# Altium PCB MODULE_CPU_MX240_V1.0.PcbDoc (part 2 of 2)
Units mm, origin at the board's own origin, x right, y up, seen from the top; angles counter-clockwise.
Board outline 87.3 x 95.5 mm, 6 copper layers (Top Layer, Layer 2, Layer 3, Layer 4, Layer 5, Bottom Layer), stack 1.509 mm thick; 378 components, 326 nets, 1905 pads, 0 vias.
Unrouted connection lines stored in the file: 1192.
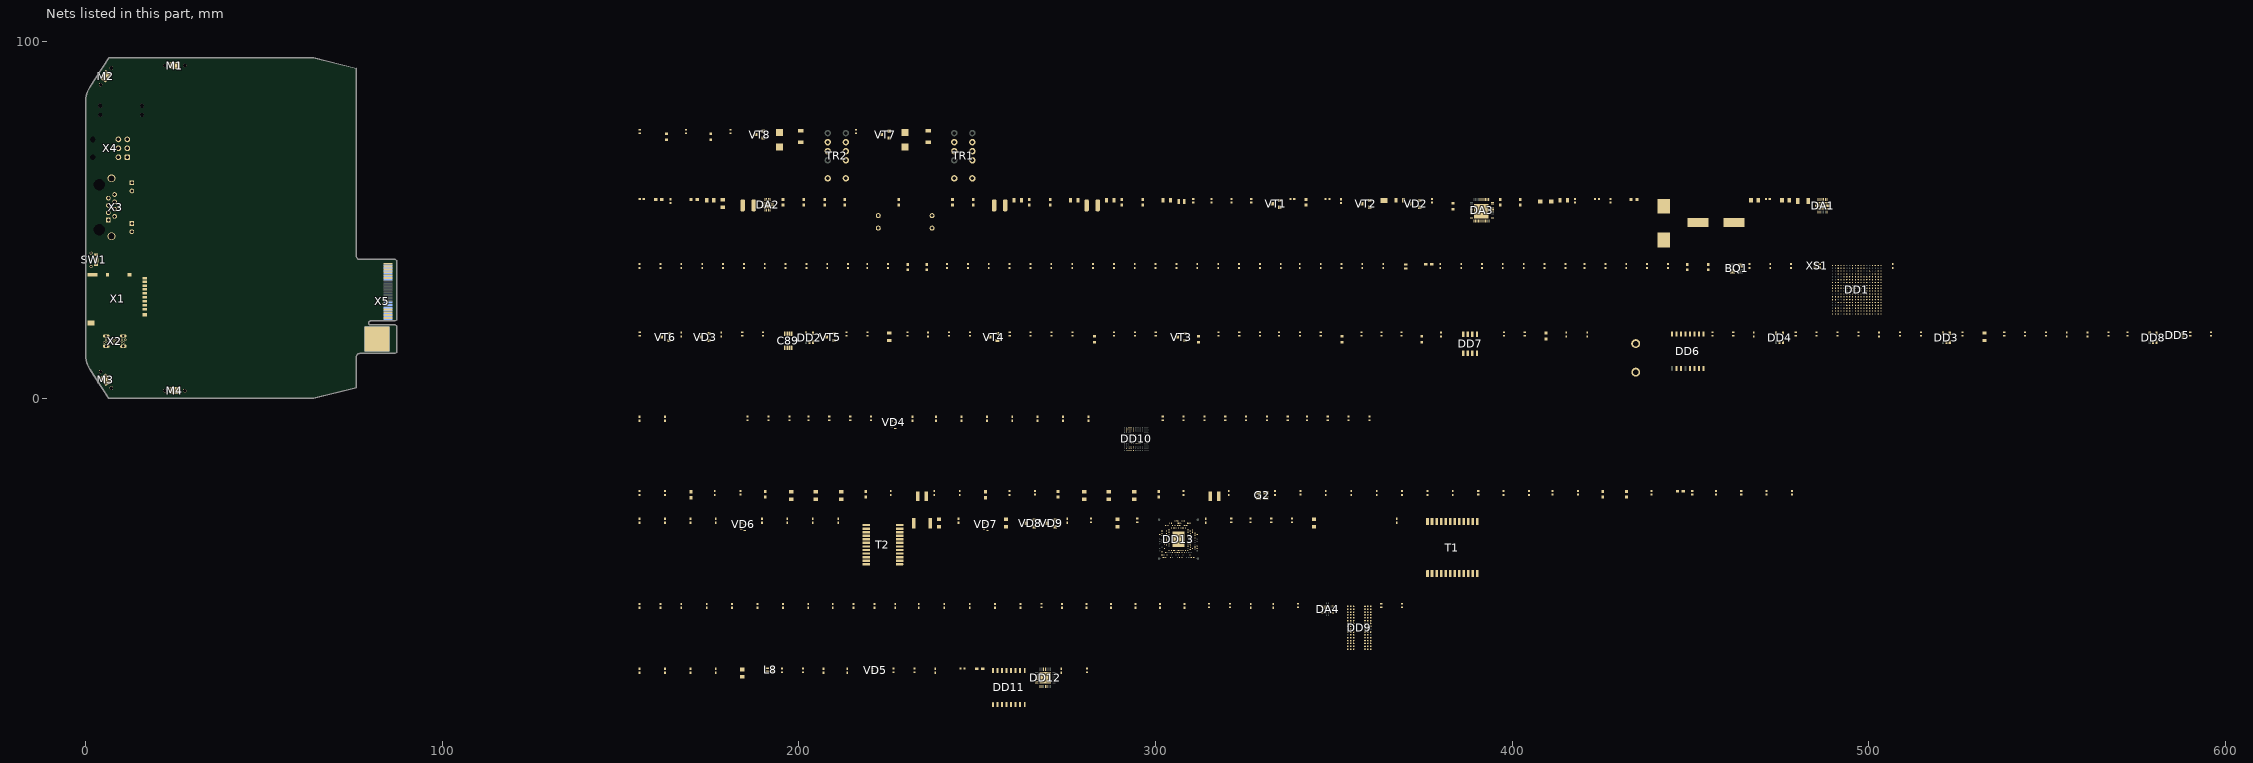
[diagram p4: the nets of this part, all layers, seen from the top]

## Footprints (in the part's own frame and the unit in brackets; to place one, negate y for a bottom-side part, rotate by r counter-clockwise, add the part's x,y. Pads: shape width x height; smd on the part's side, far side on the other; paste and mask are expansions set on the pad) (continued)
"WE-TVS 824014881" [mm]
  rrect50% 0.2x0.6 smd paste+0 mask+0.05: 1(-1.7,-0.475)
  rect 0.2x0.6 smd paste+0 mask+0.05: 2(-0.8,-0.475) 3(0,-0.475) 4(0.8,-0.475) 5(1.7,-0.475) 6(1.3,0.475) 7(0.4,0.475) 8(-0.4,0.475) 9(-1.3,0.475)
  body extent -1.9,-0.5 1.9,0.5, height 0.5
WE-XTAL_CFPX-180 [mm] "Quartz Crystal, size CFPX-180, body 3.4x2.7mm"
  rect 1.4x1.15 smd paste+0 mask+0.05: 1(-1.1,-0.8) 2(1.1,-0.8) 3(1.1,0.8) 4(-1.1,0.8)
  silkscreen extent -2.37,-0.87 -2.12,-0.63, body extent -1.7,-1.35 1.7,1.35, height 0.65
WE-XTAL_IQXC-90 [mm] "Quartz Crystal, size IQXC-90, body 1.6x1mm"
  rect 0.5x1 smd paste+0 mask+0.05: 1(-0.55,0) 2(0.55,0)
  body extent -0.8,-0.5 0.8,0.5, height 0.5
WE_LQSH_4020 [mm]
  rrect50% 1.2x3.3 smd paste-0.03 mask+0.075: 1(-1.55,0) 2(1.55,0)
  silkscreen extent -2,-2 2,2, body extent -2,-2.02 2,2, height 2.02
"WL-SMCW_0603 dome" [mm] "SMD Mono-color Chip LED, body 1.6x0.8mm"
  rect 0.7x0.8 smd paste+0 mask+0.05: 1(-0.85,0) 2(0.85,0)
  body extent -0.8,-0.4 0.8,0.4, height 0.95
WP-SMRA_7466312 [mm] "SMD Terminal Right Angled with Pins, Thread M2, Length 5.5mm"
  round 0.97 hole 1 unplated paste-403.566 mask+0.05: 1(-2.77,0)
  rect 3x2 smd paste-403.566 mask-403.566: 1(0,0)
  round 0.97 hole 1 unplated paste-403.566 mask+0.075: 2(2.77,0)
  Top Layer region: -3.079,-1.665 3.079,-1.665 3.079,-1.665 3.5,0 3.079,1.665 3.079,1.665 3.079,1.665 -3.079,1.665 -3.079,1.665 -3.5,0 -3.079,-1.665
  silkscreen extent -2.92,-2.16 2.92,2.17, body extent -3.5,-2.16 3.5,2.17, height 7
WR-MJ_615008137421 [mm] "RJ45 Horizontal  Shielded  With LED With EMI panel ground Tab up - Left yellow - Right green"
  oval 0x3.25 hole 3.25 unplated mask+0.05: 0(-9.92,-2.54)
  round 0 hole 3.25 unplated mask+0.05: 0(2.78,-2.54)
  rect 1.3x1.3 hole 0.8 mask+0.05: 1(0,0) 10(1,6.6) 12(-10.43,6.6)
  round 1.3 hole 0.8 mask+0.05: 2(-1.02,1.78) 3(-2.04,0) 4(-3.06,1.78) 5(-4.08,0) 6(-5.1,1.78) 7(-6.12,0) 8(-7.14,1.78) 9(3.29,6.6) 11(-8.14,6.6)
  round 2.2 hole 1.7 mask+0.05: 13(-11.695,0.89) 14(4.555,0.89)
  silkscreen extent -11.69,-8 4.56,7.75, body extent -13.45,-8.58 6.31,7.87, height 15.23

## Part data
BQ1: library part WE-XTAL_830072604, "Кварцевый резонатор WE-XTAL 830072604 25 МГц"
BQ2: library part WE-XTAL_830066198, "Кварцевый резонатор WE-XTAL 830066198 32768 Гц Wurth Elektronik"
C1: library part WCAP-ASLL_865060762009, "Чип-конденсатор электролитический WCAP-ASLL 865060762009 220 мкФ 63 В Wurth Elektronik"
C2 C7 C12: library part C0805, "Чип-конденсатор 22 мкФ 50 В 0805", TYPE="Чип-конденсатор 0805"
C3: library part C0402, "Чип-конденсатор 4,7 нФ 50 В 0402", TYPE="Чип-конденсатор 0402"
C4: library part C0402, "Чип-конденсатор 2,2 нФ 50 В 0402", TYPE="Чип-конденсатор 0402"
C5: library part C0402, "Чип-конденсатор 22 нФ 50 В 0402", TYPE="Чип-конденсатор 0402"
C6: library part C0402, "Чип-конденсатор 100 пФ 50 В 0402", TYPE="Чип-конденсатор 0402"
C8 C10 C174 C175: library part C0402, "Чип-конденсатор 0,01 мкФ 50 В 0402", TYPE="Чип-конденсатор 0402"
C9: library part C0805, "Чип-конденсатор 0,1 мкФ 50 В 0805", TYPE="Чип-конденсатор 0805"
C11: library part C1206, "Чип-конденсатор 100 мкФ 6,3 В 1206", TYPE="Чип-конденсатор 1206"
C13 C15 C16 C17 C18 C19 C20 C21 C22 C23 C24 C25 C26 C27 C28 C31 C33 C39 C155 C156 C161 C170: library part C0603, "Чип-конденсатор 10 мкФ 16 В 0603", TYPE="Чип-конденсатор 0603"
C14 C29 C30 C32 C34 C35 C36 C37 C38 C40 C41 C42 C43 C44 C45 C46 C47 C48 C49 C50 C51 C52 C53 C54 C55 C56 C57 C58 C59 C60 C61 C62 C63 C64 C65 C66 C67 C68 C69 C72 C75 C76 C78 C79 C80 C81 C82 C83 C84 C86 C87 C88 C90 C91 C92 C93 C94 C95 C96 C97 C98 C99 C100 C101 C102 C103 C104 C105 C106 C107 C108 C109 C110 C117 C139 C140 C141 C142 C143 C144 C145 C146 C147 C148 C149 C150 C153 C154 C157 C158 C162 C163 C164 C165 C171 C172 C173: library part C0402, "Чип-конденсатор 0,1 мкФ 16 В 0402", TYPE="Чип-конденсатор 0402"
C70 C71 C73 C74 C77: library part C0402, "Чип-конденсатор 22 пФ 50 В 0402", TYPE="Чип-конденсатор 0402"
C85: library part C0402, "Чип-конденсатор 1 мкФ 16 В 0402", TYPE="Чип-конденсатор 0402"
C89: "Приёмопередатчик RS-485 ADM3061EARMZ", TYPE="Чип-конденсатор 0402"
C111: library part C0402, "Чип-конденсатор 1000 пФ ±10% 50 В X7R 0402", TYPE="Чип-конденсатор 0402"
C112 C113 C114 C115 C116 C118 C122 C125 C126 C128: library part C0402, "Чип-конденсатор 10 мкФ 6,3 В 0402", TYPE="Чип-конденсатор 0402"
C119 C152: library part C0402, "Чип-конденсатор 1 мкФ ±20% 16 В X5R 0402", TYPE="Чип-конденсатор 0402"
C120 C121 C123 C124 C127 C131 C132 C133 C134 C137 C138: library part C0402, "Чип-конденсатор 0,1 мкФ 16В/25В 0402", TYPE="Чип-конденсатор 0402"
C129: library part C0805, "Чип-конденсатор 100 пФ 500 В 0805", TYPE="Чип-конденсатор 0805"
C130 C135 C136: library part C0402, "Чип-конденсатор 4,7 мкФ 10В/16В 0402", TYPE="Чип-конденсатор 0402"
C151: library part C1812, "Чип-конденсатор 150 пФ 4 кВ 1812", TYPE="Чип-конденсатор 0402"
C159 C160: library part C0402, "Чип-конденсатор 15 пФ 50 В 0402", TYPE="Чип-конденсатор 0402"
C166 C168: library part C0603, "Чип-конденсатор 390 пФ 50 В 0603", TYPE="Чип-конденсатор 0603"
C167 C169: library part C0402, "Чип-конденсатор 33 пФ 50 В 0402", TYPE="Чип-конденсатор 0402"
C176 C177 C178 C179: library part C0805, "Чип-конденсатор 22 мкФ 25 В 0805", TYPE="Чип-конденсатор 0805"
DA1: "DC/DC-контроллер TPS54020RUW"
DA2: library part TLV62090, "DC/DC-контроллер TLV62090RGT"
DA3: "DC/DC-контроллер TPS65217C QFN-48 TI"
DA4: "Контроллер питания DDR TPS51200DRC"
DD1: library part AM3358BZCZ100_parts, "Микропроцессор Cortex-A8 AM3358BZCZ100 PBGA-324"
DD2 DD3 DD4 DD8: "Буфер логический OD SN74LVC1G07DBV SOT23-5 TI"
DD5: "Dual Bus Buffer Gate With 3-State Outputs SN74LVC2G125DCUT"
DD6: "Часы реального времени прецизионные с TCXO DS3231SN"
DD7: library part AT24C32E, "Память EEPROM I2C 32 Кбит AT24C32E-SSHM-T SOIC-8"
DD9: library part "MT41K256M16HA-125 IT", "Память DDR3L SDRAM 4Gb (256x16) MT41K256M16HA-125IT FBGA-96 Micron", ComponentLink1Description=DataSheet, ComponentLink1URL=D:\PROJECTS\AD_LIB\PDF\K4B4G1646D-BIK0.pdf
DD10: "Память eMMC NAND-flash THGBMAG5A1JBAWR BGA-153 Toshiba"
DD11: "Isolated USB-interface ADuM4160BRWZ"
DD12: "Преобразователь USB-UART CP2102-GMR QFN-28"
DD13: "Dual Port 10/100/1000BASE-T PHY VSC8502XML-03"
G1: "Разъем CH23-1220 батарейный отсек тип CR1220", TYPE=CH23-1220
G2: library part "WE-SPXO_ 831055678", "Кварцевый генератор 25 МГц +3,3 В WE-SPXO  831055678"
HL1 HL2 HL3 HL4 HL6 HL7: library part WL-SMCW_150060GS84000, "Светодиод SMD зелёный WL-SMCW 150060GS84000"
HL5: library part WL-SMCW_150060GS84000, "Светодиод SMD красный WL-SMCW 150060RS86000"
K1: "Точка соединения земель"
L1 L3 L4: library part "WE-LQSH 74405042022", "Катушка индуктивности WE-LQSH 74405042022 2,2 мкГн 2,6 А WURTH ELEKTRONIK"
L2: library part WE-LHMI_74437368022, "Катушка индуктивности WE-LHMI 74437368022 2,2 мкГн 10 А"
L5: library part "WE-PMCI 74479275222", "Катушка индуктивности WE-PMCI 74479275222 2,2 мкГн 1А"
L6 L7 L9: library part WE-CBF_742792625, "Фильтр индуктивный WE-CBF 742792625 Wurth Elektronik", TYPE=WE-CBF_742792625
L8: library part WE-CNSW_744231091, "Линейный фильтр WE-CNSW 744231091 Wurth Elektronik"
L10 L11: library part WE-LQS_74404032100, "Дроссель WE-LQS 74404032100 10 мкГн 0,85 А Wurth Elektronik"
LP1: "Multiple light guide 4х2 1296.2024"
M1 M2 M3 M4: library part WP-SMRA_7466312, "Элемент крепления печатной платы WP-SMRA 7466312"
R1 R2 R3 R4: library part R0805, "Чип-резистор 88,7 Ом 1% 0805", TYPE="Чип-резистор 0805"
R5: library part R0805, "Чип-резистор 88,7 кОм 1% 0805", TYPE="Чип-резистор 0805"
R6: library part R0805, "Чип-резистор 5,11кОм 1% 0805", TYPE="Чип-резистор 0805"
R7: library part R0603, "Чип-резистор 11 кОм 1% 0603", TYPE="Чип-резистор 0603"
R8: library part R0603, "Чип-резистор 147 кОм 1% 0603", TYPE="Чип-резистор 0603"
R9: library part R0603, "Чип-резистор 47 кОм 1% 0603", TYPE="Чип-резистор 0603"
R10 R93 R94: library part R0402, "Чип-резистор 1,5 кОм 1% 0402", TYPE="Чип-резистор 0402"
R11 R12 R13 R14 R15 R30 R36 R37 R39 R40 R46 R47 R48 R59 R88 R89 R90 R109: library part R0402, "Чип-резистор 2,7 кОм 5% 0402", TYPE="Чип-резистор 0402"
R16 R41 R42 R43 R44 R60 R99 R100 R121 R122: library part R0402, "Чип-резистор 330 Ом 5% 0402", TYPE="Чип-резистор 0402"
R17 R18 R19 R20 R21 R22 R23: library part R0402_tooth, "Чип-резистор 10 Ом 1% 0402", TYPE="Чип-резистор 0402"
R24: library part R0603, "Чип-резистор 49,9 кОм 1% 0603", TYPE="Чип-резистор 0603"
R25 R26: library part R0402_tooth, "Чип-резистор 10 кОм 5% 0402", TYPE="Чип-резистор 0402"
R27 R28 R29 R31 R32 R33 R34 R35 R45 R62 R63 R67 R68 R69 R70 R71 R72 R73 R74 R75 R76 R77 R78 R79 R80 R81 R82 R83 R84 R85 R91 R92 R101 R103 R104 R105 R108 R117 R118: library part R0402, "Чип-резистор 10 кОм 5% 0402", TYPE="Чип-резистор 0402"
R38 R61: library part R0805, "Чип-резистор 120 Ом 5% 0805", TYPE="Чип-резистор 0805"
R49 R50 R51 R52 R53 R54 R55 R56 R57 R58: library part R0402, "Чип-резистор 100 кОм 5% 0402", TYPE="Чип-резистор 0402"
R64: library part R0402, "Чип-резистор 240 Ом 1% 0402", TYPE="Чип-резистор 0402"
R65 R66: library part R0402, "Чип-резистор 10 кОм 1% 0402", TYPE="Чип-резистор 0402"
R86 R87: library part R0402, "Чип-резистор 5,1 кОм 5% 0402", TYPE="Чип-резистор 0402"
R95 R96 R97 R98: library part R0805, "Чип-резистор 75 Ом 5% 0805", TYPE="Чип-резистор 0805"
R102: library part R0402, "Чип-резистор 2 кОм 1% 0402", TYPE="Чип-резистор 0402"
R106 R107 R110: library part R0402, "Чип-резистор 10 Ом 5% 0402", TYPE="Чип-резистор 0402"
R111 R112: library part R0402, "Чип-резистор 82,5 кОм 1% 0402", TYPE="Чип-резистор 0402"
R113 R114: library part R0603, "Чип-резистор 442 кОм 1% 0603", TYPE="Чип-резистор 0603"
R115 R116: library part R0805, "Чип-резистор 15 Ом 5% 0805", TYPE="Чип-резистор 0805"
R119 R120: library part R1206, "Чип-резистор 10 Ом 5% 1206", TYPE="Чип-резистор 1206"
SC1 SC2: library part WEC3R0105QG, "Суперконденсатор WEC3R0105QG 1 Ф 3,0 В VINATECH"
SW1: "Кнопка тактовая угловая EVP-AKE31A Panasonic"
T1: library part WE-LAN_AQ_749020310, "Gigabit single port transformer WE-LAN AQ 749020310 Wurth Elektronik"
T2: "Трансформатор Topaz TE-1x1G"
TR1 TR2: library part V23079-A1005-B301, "Реле V23079-A1005-B301"
VD1: "Диод TVS SMF5.0AT1G SOD-123"
VD2: "Диодная сборка с общим анодом BAT54A SOT-23"
VD3 VD8 VD9: library part WE-TVS_824021, "Диодная сборка TVS WE-TVS 824021 WURTH ELEKTRONIK"
VD4 VD6 VD7: "Диодная сброка ESD защиты WE-TVS 824014881 Wurth Elektronik"
VD5: library part WE-TVS_82400152, "Диодная сброка ESD защиты WE-TVS 82400152 WURTH ELEKTRONIK"
VD10 VD11: "Диод GS1M SMA(DO-214AC)"
VT1: "Транзистор P-канал DMP3098L-7 SOT-23"
VT2 VT3 VT4 VT5 VT6: library part 2N7002K, "Транзистор MOSFET N-Channel 2N7002K-T1-E3 SOT-23 Vishay"
VT7 VT8: "Транзистор MOSFET N-Channel 2N7002K-T1-E3 SOT-23 Vishay"
X1: "Держатель microSD-карты DM3A-SF-PEJM5 Hirose"
X2: "Разъём USB Type-C угловой KUSBX-SL-CS1N14-B"
X3: "Разъём RJ-45 WR-MJ 615008137421 Wurth Elektronik"
X4: library part MOLEX_105314-1206, "Разъём MOLEX 105314-1206"
X5: library part MOLEX_76861_1120_SLOT, "Слот для разъёма MOLEX 76861-1120"
XS1: library part WE-SPXO_831056218, "Генератор кварцевый WE-SPXO 831056218 25 МГц 1,8 В"

## Free pads (board coordinates)
  round 1 hole 1: 1(4.202,7.513) 1(4.202,87.987) 1(7.22,2.867) 1(7.22,92.633) 1(22.23,2.165) 1(22.23,93.335) 1(27.77,2.165) 1(27.77,93.335)

## Nets (pads, with @x,y where several pads share a name; then routed paths per layer and width w, separated by ;. In a path a pad name is that pad's centre, name@x,y a point inside that pad or via, vN(x,y) a via of type N, cw(c..) or ccw(c..) an arc to the next point about the centre after c; other vN are vias at no path point)
+3V3: VD8.2 VD9.2 X3.10 X3.12
+5V: C7.2 C11.1 C19.1 C132.1 C134.1 C136.2 C138.2 DA2.3 DA2.10 DA2.11 DA2.12 DA3.10 DD11.16 DD12.7 DD12.8 L2.2 R1.2 R2.2 R3.2 R4.2 R7.2 VT1.2
AGND: C1.2 C2.1 C3.1 C4.1 C5.1 C6.1 DA1.11 K1.1 R5.1 R117.1 R118.1 VT7.2 VT8.2 X5.P2
BP_TXRX_A_N: T2.22 X5.38
BP_TXRX_A_P: T2.23 X5.37
BP_TXRX_B_N: T2.19 X5.40
BP_TXRX_B_P: T2.20 X5.39
BP_TXRX_C_N: T2.16 X5.32
BP_TXRX_C_P: T2.17 X5.31
BP_TXRX_D_N: T2.13 X5.34
BP_TXRX_D_P: T2.14 X5.33
CC1: R86.1 X2.A5
CC2: R87.1 X2.B5
CON_N: L8.4 VD5.4
CON_P: L8.1 VD5.6
CONSOLE_D_N: DD11.11 DD12.5
CONSOLE_D_P: DD11.10 DD12.4
CTRL_LED_ALARM: DD1.B13 R35.1 VT6.1
CTRL_LED_PWR1: DD1.D12 R33.1 VT4.1
CTRL_LED_PWR2: DD1.C12 R34.1 VT5.1
CTRL_LED_RDY: DD1.D13 R32.1 VT3.1
D_N: VD5.3 X2.A7 X2.B7
D_P: VD5.1 X2.A6 X2.B6
DDR_A0: DD1.F3 DD9.N3
DDR_A1: DD1.H1 DD9.P7
DDR_A2: DD1.E4 DD9.P3
DDR_A3: DD1.C3 DD9.N2
DDR_A4: DD1.C2 DD9.P8
DDR_A5: DD1.B1 DD9.P2
DDR_A6: DD1.D5 DD9.R8
DDR_A7: DD1.E2 DD9.R2
DDR_A8: DD1.D4 DD9.T8
DDR_A9: DD1.C1 DD9.R3
DDR_A10: DD1.F4 DD9.L7
DDR_A11: DD1.F2 DD9.R7
DDR_A12: DD1.E3 DD9.N7
DDR_A13: DD1.H3 DD9.T3
DDR_A14: DD1.H4 DD9.T7
DDR_A15: DD1.D3 DD9.M7
DDR_BA0: DD1.C4 DD9.M2
DDR_BA1: DD1.E1 DD9.N8
DDR_BA2: DD1.B3 DD9.M3
DDR_CASn: DD1.F1 DD9.K3
DDR_CKE: DD1.G3 DD9.K9 R62.2
DDR_CLK_N: DD1.D1 DD9.K7
DDR_CLK_P: DD1.D2 DD9.J7
DDR_CSn: DD1.H2 DD9.L2
DDR_D0: DD1.M3 DD9.E3
DDR_D1: DD1.M4 DD9.F7
DDR_D2: DD1.N1 DD9.F2
DDR_D3: DD1.N2 DD9.F8
DDR_D4: DD1.N3 DD9.H3
DDR_D5: DD1.N4 DD9.H8
DDR_D6: DD1.P3 DD9.G2
DDR_D7: DD1.P4 DD9.H7
DDR_D8: DD1.J1 DD9.D7
DDR_D9: DD1.K1 DD9.C3
DDR_D10: DD1.K2 DD9.C8
DDR_D11: DD1.K3 DD9.C2
DDR_D12: DD1.K4 DD9.A7
DDR_D13: DD1.L3 DD9.A2
DDR_D14: DD1.L4 DD9.B8
DDR_D15: DD1.M1 DD9.A3
DDR_DQM0: DD1.M2 DD9.E7
DDR_DQM1: DD1.J2 DD9.D3
DDR_DQS0_N: DD1.P2 DD9.G3
DDR_DQS0_P: DD1.P1 DD9.F3
DDR_DQS1_N: DD1.L2 DD9.B7
DDR_DQS1_P: DD1.L1 DD9.C7
DDR_ODT: DD1.G1 DD9.K1
DDR_RASn: DD1.G4 DD9.J3
DDR_RESETn: DD1.G2 DD9.T2 R63.2
DDR_VREF: C83.2 C94.2 C117.2 DA4.6 DD1.J4 DD9.H1 DD9.M8
DDR_WEn: DD1.B2 DD9.L3
ETH0_LED1: DD13.B21 R99.1
ETH0_LED2: DD13.C2 R100.1
ETH0_RX_CLK: DD1.T15 DD13.D16
ETH0_RX_DV: DD1.V14 DD13.D15
ETH0_RXD0: DD1.V17 DD13.A19
ETH0_RXD1: DD1.T16 DD13.B15
ETH0_RXD2: DD1.U16 DD13.A18
ETH0_RXD3: DD1.V16 DD13.D14
ETH0_TX_CLK: DD1.U15 DD13.D17
ETH0_TX_EN: DD1.R13 DD13.C16
ETH0_TXD0: DD1.V15 DD13.A22
ETH0_TXD1: DD1.R14 DD13.B17
ETH0_TXD2: DD1.T14 DD13.D19
ETH0_TXD3: DD1.U14 DD13.A23
ETH0_TXRX_A_N: T1.22 X3.2
ETH0_TXRX_A_P: T1.23 X3.1
ETH0_TXRX_B_N: T1.19 X3.6
ETH0_TXRX_B_P: T1.20 X3.3
ETH0_TXRX_C_N: T1.16 X3.5
ETH0_TXRX_C_P: T1.17 X3.4
ETH0_TXRX_D_N: T1.13 X3.8
ETH0_TXRX_D_P: T1.14 X3.7
ETH1_RX_CLK: DD1.L18 DD13.C7
ETH1_RX_DV: DD1.J17 DD13.B8
ETH1_RXD0: DD1.M16 DD13.C4
ETH1_RXD1: DD1.L15 DD13.D9
ETH1_RXD2: DD1.L16 DD13.B7
ETH1_RXD3: DD1.L17 DD13.D8
ETH1_TX_CLK: DD1.K18 DD13.A9
ETH1_TX_EN: DD1.J16 DD13.B10
ETH1_TXD0: DD1.K17 DD13.A10
ETH1_TXD1: DD1.K16 DD13.A11
ETH1_TXD2: DD1.K15 DD13.D12
ETH1_TXD3: DD1.J18 DD13.C8
ETH_MDC: DD1.M18 DD5.2 DD5.5
ETH_MDIO: DD1.M17 DD13.A15 R94.1 X5.8
EXT_RESET: DD4.4 R39.1 X5.12
EXT_SHLD: M1.1 M1.2 M2.1 M2.2 M3.1 M3.2 M4.1 M4.2
EXT_SYNC: DD3.4 R38.2 X5.10
GND: C7.1 C10.1 C11.2 C12.1 C13.1 C14.1 C15.1 C16.1 C17.1 C18.1 C19.2 C20.1 C21.2 C22.2 C23.2 C24.2 C25.1 C26.1 C27.1 C28.2 C29.1 C30.1 C31.2 C32.1 C33.2 C34.1 C35.1 C36.1 C37.1 C38.1 C39.2 C40.1 C41.1 C42.1 C43.1 C44.1 C45.1 C46.1 C47.1 C48.1 C49.1 C50.1 C51.1 C52.1 C53.1 C54.1 C55.1 C56.1 C57.1 C58.1 C59.1 C60.1 C61.1 C62.2 C63.1 C64.2 C65.1 C66.1 C67.2 C68.2 C69.2 C70.2 C71.2 C72.2 C73.2 C74.2 C75.2 C76.2 C78.1 C79.1 C80.1 C81.1 C82.1 C83.1 C84.1 C85.1 C86.2 C87.2 C88.2 C89.5 C90.1 C91.1 C92.1 C93.1 C94.1 C95.1 C96.2 C97.1 C98.2 C99.1 C100.2 C101.1 C102.2 C103.1 C104.2 C105.1 C106.2 C107.1 C108.2 C109.1 C110.2 C111.1 C112.1 C113.1 C114.1 C115.1 C116.1 C117.1 C118.1 C119.1 C120.1 C121.1 C122.1 C123.1 C124.1 C125.1 C126.1 C127.1 C128.1 C132.2 C133.1 C134.2 C135.1 C136.1 C137.1 C138.1 C139.2 C140.2 C141.2 C142.2 C143.2 C144.2 C145.2 C146.2 C147.1 C148.1 C149.1 C150.1 C152.2 C153.2 C155.1 C156.1 C157.2 C158.2 C161.1 C162.2 C163.2 C164.2 C165.2 C170.1 C171.2 C172.2 C173.2 C174.1 C175.1 C176.1 C177.1 C178.1 C179.1 DA1.2 DA1.9 DA2.6 DA2.14 DA2.15 DA2.17 DA3.12 DA3.30 DA3.41 DA3.49 DA4.4 DA4.8 DA4.11 DD1.A1 DD1.A5 DD1.A7 DD1.A8 DD1.A9 DD1.A18 DD1.B6 DD1.B7 DD1.B8 DD1.C7 DD1.C8 DD1.C9 DD1.E8 DD1.F8 DD1.G8 DD1.G9 DD1.G11 DD1.G12 DD1.H6 DD1.H7 DD1.H8 DD1.H9 DD1.H10 DD1.H12 DD1.J6 DD1.J7 DD1.J8 DD1.J9 DD1.J10 DD1.J11 DD1.K7 DD1.K9 DD1.K10 DD1.K11 DD1.L10 DD1.L11 DD1.L12 DD1.L13 DD1.M6 DD1.M7 DD1.M8 DD1.M9 DD1.M10 DD1.M12 DD1.M14 DD1.N7 DD1.N10 DD1.N11 DD1.N14 DD1.V1 DD1.V11 DD1.V18 DD2.3 DD3.3 DD4.3 DD5.1 DD5.4 DD5.7 DD6.5 DD6.6 DD6.7 DD6.8 DD6.9 DD6.10 DD6.11 DD6.12 DD6.13 DD7.1 DD7.2 DD7.3 DD7.4 DD7.7 DD8.3 DD9.A9 DD9.B1 DD9.B3 DD9.B9 DD9.D1 DD9.D8 DD9.E1 DD9.E2 DD9.E8 DD9.F9 DD9.G1 DD9.G8 DD9.G9 DD9.J2 DD9.J8 DD9.M1 DD9.M9 DD9.P1 DD9.P9 DD9.T1 DD9.T9 DD10.C4 DD10.E7 DD10.G5 DD10.H10 DD10.K8 DD10.N2 DD10.N5 DD10.P4 DD10.P6 DD11.9 DD11.15 DD12.3 DD12.29 DD13.E7 DD13.EP G1.2 G2.2 K1.2 R9.2 R10.2 R24.2 R27.2 R32.2 R33.2 R34.2 R35.2 R45.2 R49.1 R50.1 R55.1 R56.1 R57.1 R62.1 R64.2 R66.1 R89.2 R101.2 R102.1 R103.2 R104.2 R105.2 R108.1 R110.1 SC2.2 SW1.1 TR1.8 TR2.8 VD1.2 VD3.3 VD4.3 VD6.3 VD7.3 VT1.1 VT2.2 VT3.2 VT4.2 VT5.2 VT6.2 X1.6 X1.9 X5.1 X5.3 X5.5 X5.7 X5.29 X5.30 X5.35 X5.36 XS1.2
GND_USB: C129.2 C130.1 C131.1 DD11.2 DD11.8 R86.2 R87.2 VD5.2 X2.A1 X2.A12 X2.B1 X2.B12
GPIOx.xx: DD3.2 DD4.2 R36.1 R37.1 R40.1 R118.2 SW1.2 VT8.1
I2C0_SCL: DD1.C16 DD6.16 DD7.6 R47.1
I2C0_SDA: DD1.C17 DD6.15 DD7.5 R59.1
INT_SHLD: C129.1 C151.1 SW1.SH1 SW1.SH2 SW1.SH3 VD8.3 VD9.3 X1.11 X1.12 X1.13 X1.14 X2.SH1 X2.SH2 X2.SH3 X2.SH4 X3.13 X3.14
LED_ALARM: HL5.1 VT6.3
LED_PWR1: HL2.1 VT4.3
LED_PWR2: HL3.1 VT5.3
LED_RDY: HL4.1 VT3.3
LED_RELE1: HL6.1 TR1.9
LED_RELE2: HL7.1 TR2.9
MDC_EXT: DD5.3 X5.6
MDC_PHY: DD5.6 DD13.C11 R93.1
MMC0_SD_CD: DD8.2 R23.1 R79.1 VD4.8 X1.10
MMC0_SD_CLK: R18.1 R73.1 VD4.1 X1.5
MMC0_SD_CMD: R17.1 R71.1 VD4.2 X1.3
MMC0_SD_DAT0: R19.1 R75.1 VD4.6 X1.7
MMC0_SD_DAT1: R20.1 R77.1 VD4.7 X1.8
MMC0_SD_DAT2: R21.1 R68.1 VD4.5 X1.1
MMC0_SD_DAT3: R22.1 R69.1 VD4.4 X1.2
MMC1_eMMC_CLK: DD1.U9 DD10.M6 R85.1
MMC1_eMMC_CMD: DD1.V9 DD10.M5 R84.1
MMC1_eMMC_DAT0: DD1.U7 DD10.A3 R70.1
MMC1_eMMC_DAT1: DD1.V7 DD10.A4 R72.1
MMC1_eMMC_DAT2: DD1.R8 DD10.A5 R74.1
MMC1_eMMC_DAT3: DD1.T8 DD10.B2 R76.1
MMC1_eMMC_DAT4: DD1.U8 DD10.B3 R78.1
MMC1_eMMC_DAT5: DD1.V8 DD10.B4 R80.1
MMC1_eMMC_DAT6: DD1.R9 DD10.B5 R81.1
MMC1_eMMC_DAT7: DD1.T9 DD10.B6 R82.1
MMC1_eMMC_RESET: DD1.B12 DD10.K5 R83.1
NetBQ1_1: BQ1.1 C70.1 C77.1 DD1.V10
NetBQ1_3: BQ1.3 C71.1 DD1.U11
NetBQ2_1: BQ2.1 C73.1 DD1.A6
NetBQ2_2: BQ2.2 C74.1 DD1.A4
NetC3_2: C3.2 R6.1
NetC4_2: C4.2 DA1.14
NetC6_2: C6.2 DA1.12 R6.2
NetC8_1: C8.1 DA2.8
NetC8_2: C8.2 DA2.7
NetC9_1: C9.1 DA1.8 L2.1
NetC9_2: C9.2 DA1.6
NetC10_2: C10.2 DA2.9
NetC13_2: C13.2 DA3.47
NetC14_2: C14.2 DA3.48
NetC67_1: C67.1 DD1.D9
NetC69_1: C69.1 DD1.D6
NetC75_1: C75.1 DD1.C10
NetC76_1: C76.1 DD1.D11
NetC77_2: C77.2 XS1.3
NetC111_2: C111.2 DA4.1 R65.1 R66.2
NetC119_2: C119.2 DD10.C2
NetC131_2: C131.2 DD11.3 DD11.4 DD11.5
NetC133_2: C133.2 DD11.12 DD11.13 DD11.14
NetC139_1: C139.1 T1.1
NetC140_1: C140.1 T1.4
NetC141_1: C141.1 T1.7
NetC142_1: C142.1 T1.10
NetC143_1: C143.1 T2.1
NetC144_1: C144.1 T2.4
NetC145_1: C145.1 T2.7
NetC146_1: C146.1 T2.10
NetC147_2: C147.2 T2.24
NetC148_2: C148.2 T2.21
NetC149_2: C149.2 T2.18
NetC150_2: C150.2 T2.15
NetC151_2: C151.2 R95.2 R96.2 R97.2 R98.2
NetC152_1: C152.1 DD13.C21
NetC154_1: C154.1 DD13.B2
NetC154_2: C154.2 DD13.D3
NetC159_1: C159.1 C167.1 DD13.D25
NetC159_2: C159.2 C166.1 DD13.E15 R111.1 R113.2
NetC160_1: C160.1 C169.1 DD13.D1
NetC160_2: C160.2 C168.1 DD13.E3 R112.1 R114.2
NetC161_2: C161.2 C170.2 DD13.D26 DD13.D28 DD13.D30 DD13.D32 L9.1
NetC166_2: C166.2 DD13.D24 R111.2
NetC167_2: C167.2 R113.1
NetC168_2: C168.2 DD13.B1 R112.2
NetC169_2: C169.2 R114.1
NetC174_2: C174.2 R115.1
NetC175_2: C175.2 R116.1
NetDA1_10: DA1.10 R5.2
NetDA1_13: DA1.13 R7.1 R10.1
NetDA2_1: DA2.1 DA2.2 L1.1
NetDA2_5: DA2.5 R8.2 R9.1
NetDA3_4: DA3.4 DA3.5 DA3.6
NetDA3_20: DA3.20 L5.1
NetDA3_23: DA3.23 L3.1
NetDA3_31: DA3.31 L4.1
NetDA4_7: DA4.7 R67.1
NetDD1_A12: DD1.A12 R28.1
NetDD1_A13: DD1.A13 R23.2
NetDD1_B4: DD1.B4 R27.1
NetDD1_B5: DD1.B5 DD2.4 R30.2
NetDD1_B10: DD1.B10 R29.1
NetDD1_B14: DD1.B14 R26.1
NetDD1_C14: DD1.C14 R25.1
NetDD1_F17: DD1.F17 R22.2
NetDD1_F18: DD1.F18 R21.2
NetDD1_G15: DD1.G15 R20.2
NetDD1_G16: DD1.G16 R19.2
NetDD1_G17: DD1.G17 R18.2
NetDD1_G18: DD1.G18 R17.2
NetDD1_J3: DD1.J3 R24.1
NetDD6_14: DD6.14 G1.1
NetDD8_4: DD8.4 R60.2
NetDD9_L8: DD9.L8 R64.1
NetDD12_9: DD12.9 R88.1
NetDD12_11: DD12.11 R90.1
NetDD12_12: DD12.12 R89.1
NetDD13_A2: DD13.A2 R106.2
NetDD13_A14: DD13.A14 R92.1
NetDD13_A26: DD13.A26 R105.1 R109.1
NetDD13_B3: DD13.B3 G2.3
NetDD13_B22: DD13.B22 R110.2
NetDD13_B23: DD13.B23 R104.1
NetDD13_C10: DD13.C10 R91.1
NetDD13_C17: DD13.C17 R101.1
NetDD13_C22: DD13.C22 R102.2
NetDD13_D4: DD13.D4 R108.2
NetDD13_D23: DD13.D23 R103.1
NetDD13_E1: DD13.E1 L11.1 R116.2
NetDD13_E4: DD13.E4 R107.2
NetDD13_E17: DD13.E17 L10.1 R115.2
NetHL1_1: HL1.1 VT2.3
NetHL1_2: HL1.2 R16.2
NetHL2_2: HL2.2 R41.1
NetHL3_2: HL3.2 R42.1
NetHL4_2: HL4.2 R43.1
NetHL5_2: HL5.2 R44.1
NetHL6_2: HL6.2 R121.1
NetHL7_2: HL7.2 R122.1
NetR1_1: R1.1 R2.1 R3.1 R4.1 SC1.1 VT1.3
NetR15_1: R15.1 VD2.3 VT2.1
NetR95_1: R95.1 T1.24
NetR96_1: R96.1 T1.21
NetR97_1: R97.1 T1.18
NetR98_1: R98.1 T1.15
NetR99_2: R99.2 VD9.1 X3.9
NetR100_2: R100.2 VD8.1 X3.11
NetR119_2: R119.2 TR1.1 VD10.2
NetR120_2: R120.2 TR2.1 VD11.2
NetSC1_2: SC1.2 SC2.1
NetTR1_12: TR1.12 VD10.1 VT7.3
NetTR2_12: TR2.12 VD11.1 VT8.3
PGOOD: DA3.26 DD1.B15 VD2.2
PHY0_TXRX_A_N: DD13.B26 T1.3 VD7.6
PHY0_TXRX_A_P: DD13.B27 T1.2 VD7.5
PHY0_TXRX_B_N: DD13.A28 T1.6 VD7.7
PHY0_TXRX_B_P: DD13.A29 T1.5 VD7.4
PHY0_TXRX_C_N: DD13.C19 T1.9 VD7.2
PHY0_TXRX_C_P: DD13.C20 T1.8 VD7.8
PHY0_TXRX_D_N: DD13.B24 T1.12 VD7.1
PHY0_TXRX_D_P: DD13.B25 T1.11 VD7.9
PHY1_TXRX_A_N: DD13.C25 T2.3 VD6.6
PHY1_TXRX_A_P: DD13.C26 T2.2 VD6.5
PHY1_TXRX_B_N: DD13.B28 T2.6 VD6.7
PHY1_TXRX_B_P: DD13.B29 T2.5 VD6.4
PHY1_TXRX_C_N: DD13.C23 T2.9 VD6.2
PHY1_TXRX_C_P: DD13.C24 T2.8 VD6.8
PHY1_TXRX_D_N: DD13.A30 T2.12 VD6.1
PHY1_TXRX_D_P: DD13.A31 T2.11 VD6.9
PMIC_INT: DA3.45 DD1.B18 R13.2
PMIC_PGOOD: DA3.46 DD2.2 VD2.1
PMIC_PWR_EN: DA3.9 DD1.C6
PMIC_SCL: DA3.28 DD1.A16 R12.2
PMIC_SDA: DA3.27 DD1.B16 R11.2
PMIC_WAKEUP: DA3.13 DD1.C5 R14.2
PVIN: C1.1 C2.2 C5.2 DA1.1 DA1.7 R119.1 R120.1 X5.P1
RELE1_COM: TR1.4 X4.2
RELE1_NC: TR1.3 X4.3
RELE1_NO: TR1.5 X4.1
RELE2_COM: TR2.4 X4.5
RELE2_NC: TR2.3 X4.6
RELE2_NO: TR2.5 X4.4
RS485_AB_N: C89.7 R61.1 VD3.2 X5.4
RS485_AB_P: C89.6 R61.2 VD3.1 X5.2
RTC_INT: DD1.C13 DD6.3 R48.2
SYS_5V: C15.2 C16.2 C17.2 C18.2 C21.1 DA3.2 DA3.7 DA3.8 DA3.21 DA3.22 DA3.32 DA3.39 DA3.42 VD1.1
SYS_PWR_ON: DA1.15 R117.2 VT7.1 X5.14
SYS_RST: C85.2 DD1.A10 DD13.E14 R31.1
SYSBOOT0: DD1.R1 R49.2
SYSBOOT1: DD1.R2 R50.2
SYSBOOT2: DD1.R3 R51.2 R60.1
SYSBOOT3: DD1.R4 R52.2
SYSBOOT4: DD1.T1 R53.2
SYSBOOT5: DD1.T2 R54.2
SYSBOOT12: DD1.V2 R55.2
SYSBOOT13: DD1.V3 R56.2
SYSBOOT14: DD1.V4 R57.2
SYSBOOT15: DD1.T5 R58.2
UART0_RXD: DD1.E15 DD12.25
UART0_TXD: DD1.E16 DD12.26
UART2_DIR: C89.2 C89.3 DD1.A14 R45.1
UART2_RXD: C89.1 DD1.A17 R46.1
UART2_TXD: C89.4 DD1.B17
USB_D_N: DD11.6 L8.3
USB_D_P: DD11.7 L8.2
USB_PWR: DD11.1 L7.2
VBUS: C130.2 L7.1 VD5.5 X2.A4 X2.A9 X2.B4 X2.B9
VDD_1V8A: C25.2 C35.2 C38.2 C42.2 C45.2 C50.2 C55.2 C60.2 C72.1 C81.2 C82.2 DA3.3 DD1.D7 DD1.D10 DD1.E6 DD1.E9 DD1.E14 DD1.F9 DD1.K13 DD1.N6 DD1.P9 DD1.P14 R14.1 R30.1
VDD_1V8B: C27.2 C63.2 C65.2 C66.2 DA3.40 DD1.B9 DD1.D8 DD1.N16 DD1.R16 L6.2
VDD_3V3A: C26.2 C31.1 C32.2 C36.2 C39.1 C40.2 C43.2 C46.2 C51.2 C56.2 C61.2 C62.1 C64.1 C84.2 DA2.13 DA3.43 DD1.E10 DD1.E11 DD1.E12 DD1.E13 DD1.F14 DD1.G14 DD1.H14 DD1.J14 DD1.K14 DD1.L14 DD1.N5 DD1.N15 DD1.P5 DD1.P6 DD1.P7 DD1.P8 DD1.P10 DD1.P11 DD1.P12 DD1.P13 DD1.R15 DD2.5 R11.1 R12.1 R13.1 R31.2 R51.1 R52.1 R53.1 R54.1 R58.1
VDD_3V3AUX: C20.2 C118.2 DA3.1 DA3.18 DA4.10 R67.2
VDD_3V3B: C12.2 C86.1 C87.1 C88.1 C89.8 C90.2 C91.2 C92.2 C93.2 C120.2 C121.2 C122.2 C123.2 C124.2 C125.2 C126.2 C127.2 C128.2 C135.2 C137.2 C153.1 C155.2 C156.2 C157.1 C158.1 C162.1 C163.1 C164.1 C165.1 C171.1 C172.1 C173.1 DA2.16 DD3.5 DD4.5 DD5.8 DD6.2 DD7.8 DD8.5 DD10.C6 DD10.E6 DD10.F5 DD10.J10 DD10.K9 DD10.M4 DD10.N4 DD10.P3 DD10.P5 DD12.6 DD13.C3 DD13.C9 DD13.C12 DD13.C18 DD13.D2 DD13.D5 DD13.D10 DD13.D13 DD13.D21 DD13.D22 DD13.E2 DD13.E10 DD13.E11 DD13.E16 G2.1 G2.4 L1.2 R8.1 R15.2 R16.1 R25.2 R26.2 R28.2 R29.2 R36.2 R37.2 R38.1 R39.2 R40.2 R41.2 R42.2 R43.2 R44.2 R46.2 R47.2 R48.1 R59.2 R68.2 R69.2 R70.2 R71.2 R72.2 R73.2 R74.2 R75.2 R76.2 R77.2 R78.2 R79.2 R80.2 R81.2 R82.2 R83.2 R84.2 R85.2 R88.2 R90.2 R91.2 R92.2 R93.2 R94.2 R106.1 R107.1 R109.2 R121.2 R122.2 X1.4
VDD_CORE: C24.1 C28.1 C29.2 C30.2 C33.1 C34.2 C37.2 C41.2 C44.2 C47.2 C52.2 C57.2 DA3.29 DD1.F6 DD1.F7 DD1.G6 DD1.G7 DD1.G10 DD1.H11 DD1.J12 DD1.K6 DD1.K8 DD1.K12 DD1.L6 DD1.L7 DD1.L8 DD1.L9 DD1.M11 DD1.M13 DD1.N8 DD1.N9 DD1.N12 DD1.N13 L4.2
VDD_MPU: C23.1 C48.2 C53.2 C58.2 DA3.24 DD1.A2 DD1.F10 DD1.F11 DD1.F12 DD1.F13 DD1.G13 DD1.H13 DD1.J13 L3.2
VDD_PLL: C68.1 C78.2 C79.2 C80.2 DD1.E7 DD1.H15 DD1.R10 DD1.R11 L6.1 XS1.1 XS1.4
VDDS_DDR: C22.1 C49.2 C54.2 C59.2 C95.2 C96.1 C97.2 C98.1 C99.2 C100.1 C101.2 C102.1 C103.2 C104.1 C105.2 C106.1 C107.2 C108.1 C109.2 C110.1 C113.2 C115.2 DA3.19 DA4.2 DD1.E5 DD1.F5 DD1.G5 DD1.H5 DD1.J5 DD1.K5 DD1.L5 DD9.A1 DD9.A8 DD9.B2 DD9.C1 DD9.C9 DD9.D2 DD9.D9 DD9.E9 DD9.F1 DD9.G7 DD9.H2 DD9.H9 DD9.K2 DD9.K8 DD9.N1 DD9.N9 DD9.R1 DD9.R9 L5.2 R63.1 R65.2
VSC_1V0: C176.2 C178.2 DD13.D6 DD13.D7 DD13.D18 DD13.D20 L9.2 L10.2
VSC_2V5: C177.2 C179.2 DD13.D27 DD13.D29 DD13.D31 L11.2
VTT_DDR: C112.2 C114.2 C116.2 DA4.3 DA4.5
pads on no net: BQ1.2 BQ1.4 DA1.0 DA1.3 DA1.4 DA1.5 DA2.4 DA3.0 DA3.11 DA3.14 DA3.15 DA3.16 DA3.17 DA3.25 DA3.33 DA3.34 DA3.35 DA3.36 DA3.37 DA3.38 DA3.44 DA4.9 DA4.12 DA4.13 DA4.14 DA4.15 DA4.16 DA4.17 DA4.18 DD1.A3 DD1.A11 DD1.A15 DD1.B11 DD1.C11 DD1.C15 DD1.C18 DD1.D14 DD1.D15 DD1.D16 DD1.D17 DD1.D18 DD1.E17 DD1.E18 DD1.F15 DD1.F16 DD1.H16 DD1.H17 DD1.H18 DD1.J15 DD1.M5 DD1.M15 DD1.N17 DD1.N18 DD1.P15 DD1.P16 DD1.P17 DD1.P18 DD1.R5 DD1.R6 DD1.R7 DD1.R12 DD1.R17 DD1.R18 DD1.T3 DD1.T4 DD1.T6 DD1.T7 DD1.T10 DD1.T11 DD1.T12 DD1.T13 DD1.T17 DD1.T18 DD1.U1 DD1.U2 DD1.U3 DD1.U4 DD1.U5 DD1.U6 DD1.U10 DD1.U12 DD1.U13 DD1.U17 DD1.U18 DD1.V5 DD1.V6 DD1.V12 DD1.V13 DD2.1 DD3.1 DD4.1 DD6.1 DD6.4 DD8.1 DD9.J1 DD9.J9 DD9.L1 DD9.L9 DD10.A1 DD10.A2 DD10.A6 DD10.A7 DD10.A8 DD10.A9 DD10.A10 DD10.A11 DD10.A12 DD10.A13 DD10.A14 DD10.B1 DD10.B7 DD10.B8 DD10.B9 DD10.B10 DD10.B11 DD10.B12 DD10.B13 DD10.B14 DD10.C1 DD10.C3 DD10.C5 DD10.C7 DD10.C8 DD10.C9 DD10.C10 DD10.C11 DD10.C12 DD10.C13 DD10.C14 DD10.D1 DD10.D2 DD10.D3 DD10.D4 DD10.D12 DD10.D13 DD10.D14 DD10.E1 DD10.E2 DD10.E3 DD10.E5 DD10.E8 DD10.E9 DD10.E10 DD10.E12 DD10.E13 DD10.E14 DD10.F1 DD10.F2 DD10.F3 DD10.F6 DD10.F7 DD10.F8 DD10.F9 DD10.F10 DD10.F12 DD10.F13 DD10.F14 DD10.G1 DD10.G2 DD10.G3 DD10.G6 DD10.G7 DD10.G8 DD10.G9 DD10.G10 DD10.G12 DD10.G13 DD10.G14 DD10.H1 DD10.H2 DD10.H3 DD10.H5 DD10.H6 DD10.H7 DD10.H8 DD10.H9 DD10.H12 DD10.H13 DD10.H14 DD10.J1 DD10.J2 DD10.J3 DD10.J5 DD10.J6 DD10.J7 DD10.J8 DD10.J9 DD10.J12 DD10.J13 DD10.J14 DD10.K1 DD10.K2 DD10.K3 DD10.K6 DD10.K7 DD10.K10 DD10.K12 DD10.K13 DD10.K14 DD10.L1 DD10.L2 DD10.L3 DD10.L12 DD10.L13 DD10.L14 DD10.M1 DD10.M2 DD10.M3 DD10.M7 DD10.M8 DD10.M9 DD10.M10 DD10.M11 DD10.M12 DD10.M13 DD10.M14 DD10.N1 DD10.N3 DD10.N6 DD10.N7 DD10.N8 DD10.N9 DD10.N10 DD10.N11 DD10.N12 DD10.N13 DD10.N14 DD10.P1 DD10.P2 DD10.P7 DD10.P8 DD10.P9 DD10.P10 DD10.P11 DD10.P12 DD10.P13 DD10.P14 DD12.0 DD12.1 DD12.2 DD12.10 DD12.13 DD12.14 DD12.15 DD12.16 DD12.17 DD12.18 DD12.19 DD12.20 DD12.21 DD12.22 DD12.23 DD12.24 DD12.27 DD12.28 DD13.A1 DD13.A3 DD13.A4 DD13.A5 DD13.A6 DD13.A7 DD13.A8 DD13.A12 DD13.A13 DD13.A16 DD13.A17 DD13.A20 DD13.A21 DD13.A24 DD13.A25 DD13.A27 DD13.B4 DD13.B5 DD13.B6 DD13.B9 DD13.B11 DD13.B12 DD13.B13 DD13.B14 DD13.B16 DD13.B18 DD13.B19 DD13.B20 DD13.C1 DD13.C5 DD13.C6 DD13.C13 DD13.C14 DD13.C15 DD13.D11 DD13.E5 DD13.E6 DD13.E8 DD13.E9 DD13.E12 DD13.E13 LP1.0 TR1.6 TR1.7 TR1.10 TR2.6 TR2.7 TR2.10 VD4.9 X3.0 X4.0 X5.9 X5.11 X5.13 X5.15 X5.16 X5.17 X5.18 X5.19 X5.20 X5.21 X5.22 X5.23 X5.24 X5.25 X5.26 X5.27 X5.28

## Polygon pours and split planes (outlines as drawn)
no net on Layer 2 (split plane): 227 vertices, not listed, extent 0.51,0.51 86.79,94.99
no net on Layer 5 (split plane): 227 vertices, not listed, extent 0.51,0.51 86.79,94.99

## Keep-outs
Keep-Out Layer:
  lines w0.2: 0,12.376 0.053,11.457 0.211,10.55 0.473,9.668 0.835,8.821 1.291,8.022 6.5,0 63.9,0 75.9,3 75.9,11.6 75.925,11.822 75.999,12.034 76.118,12.223 76.277,12.382 76.466,12.501 76.677,12.575 76.9,12.6 86.8,12.6 87.3,12.9 87.3,20.3 86.8,20.6 79.9,20.6 79.786,20.612 79.676,20.648 79.577,20.705 79.491,20.782 79.424,20.875 79.377,20.98 79.353,21.092 79.353,21.207 79.377,21.32 79.424,21.425 79.491,21.518 79.577,21.595 79.676,21.652 79.786,21.688 79.9,21.7 86.8,21.7 87.3,22 87.3,38.65 86.8,38.95 76.9,38.95 76.677,38.975 76.466,39.049 76.277,39.168 76.118,39.327 75.999,39.516 75.925,39.727 75.9,39.95 75.9,92.5 63.9,95.5 6.5,95.5 1.291,87.478 0.835,86.679 0.473,85.832 0.211,84.95 0.053,84.043 0,83.124 0,83.121 0,12.379 0,12.376

## Silkscreen, mask and mechanical layers (free items; w line width, h text height)
Mechanical 13:
  lines w0.1: 0.123,85.654 ccw(c1.8,84.565) -0.2,84.565 ; 0.123,9.846 cw(c1.8,10.935) -0.2,10.935 ; -2.2,10.935 ccw(c1.8,10.935) -1.555,8.756 ; -2.2,10.935 -0.2,10.935 ; -2.2,10.935 -2.2,84.565 ; -2.2,84.565 cw(c1.8,84.565) -1.555,86.744 ; -2.2,84.565 -0.2,84.565 ; -1.555,8.756 0.123,9.846 7.484,-1.489 ; -1.555,8.756 5.806,-2.579 ; -1.555,86.744 0.123,85.654 7.484,96.989 ; -1.555,86.744 5.806,98.079 ; -0.2,10.935 -0.2,84.565 ; 5.806,-2.579 ccw(c9.161,-0.4) 9.161,-4.4 ; 5.806,-2.579 7.484,-1.489 ; 5.806,98.079 cw(c9.161,95.9) 9.161,99.9 ; 5.806,98.079 7.484,96.989 ; 7.484,-1.489 ccw(c9.161,-0.4) 9.161,-2.4 ; 7.484,96.989 cw(c9.161,95.9) 9.161,97.9 ; 9.161,-4.4 9.161,-2.4 ; 9.161,-4.4 14.989,-4.4 ; 9.161,-2.4 14.989,-2.4 ; 9.161,97.9 9.161,99.9 ; 9.161,97.9 14.989,97.9 ; 9.161,99.9 14.989,99.9 ; 14.989,-4.4 14.989,-2.4 ; 14.989,-4.4 19.989,-4.4 19.989,-2.4 14.989,-2.4 ; 14.989,97.9 14.989,99.9 ; 14.989,97.9 19.989,97.9 19.989,99.9 14.989,99.9

## Text inside footprints (layer, text, board x,y; h text height)
HL1: Top Overlay "+" at 383.765,56.061 h0.76 r180
HL2: Top Overlay "+" at 374.964,18.735 h0.76 r180
HL3: Top Overlay "+" at 352.588,18.735 h0.76 r180
HL4: Top Overlay "+" at 312.411,18.735 h0.76 r180
HL5: Top Overlay "+" at 283.185,18.735 h0.76 r180
HL6: Top Overlay "+" at 175.605,75.487 h0.76 r180
HL7: Top Overlay "+" at 163.154,75.487 h0.76 r180
LP1: Mechanical 22 "max LED height 1.1mm" at 5.2,78.47 h0.3 r90
X5: Mechanical 23 "Фаска 0,45mm x 30° (с обеих сторон)" at 89.556,40.334 h1 r90; Mechanical 23 "Chamfer 0,45mm x 30° (both sides)" at 90.626,40.274 h1 r90